# KiCad board Djinn.kicad_pcb (continued)
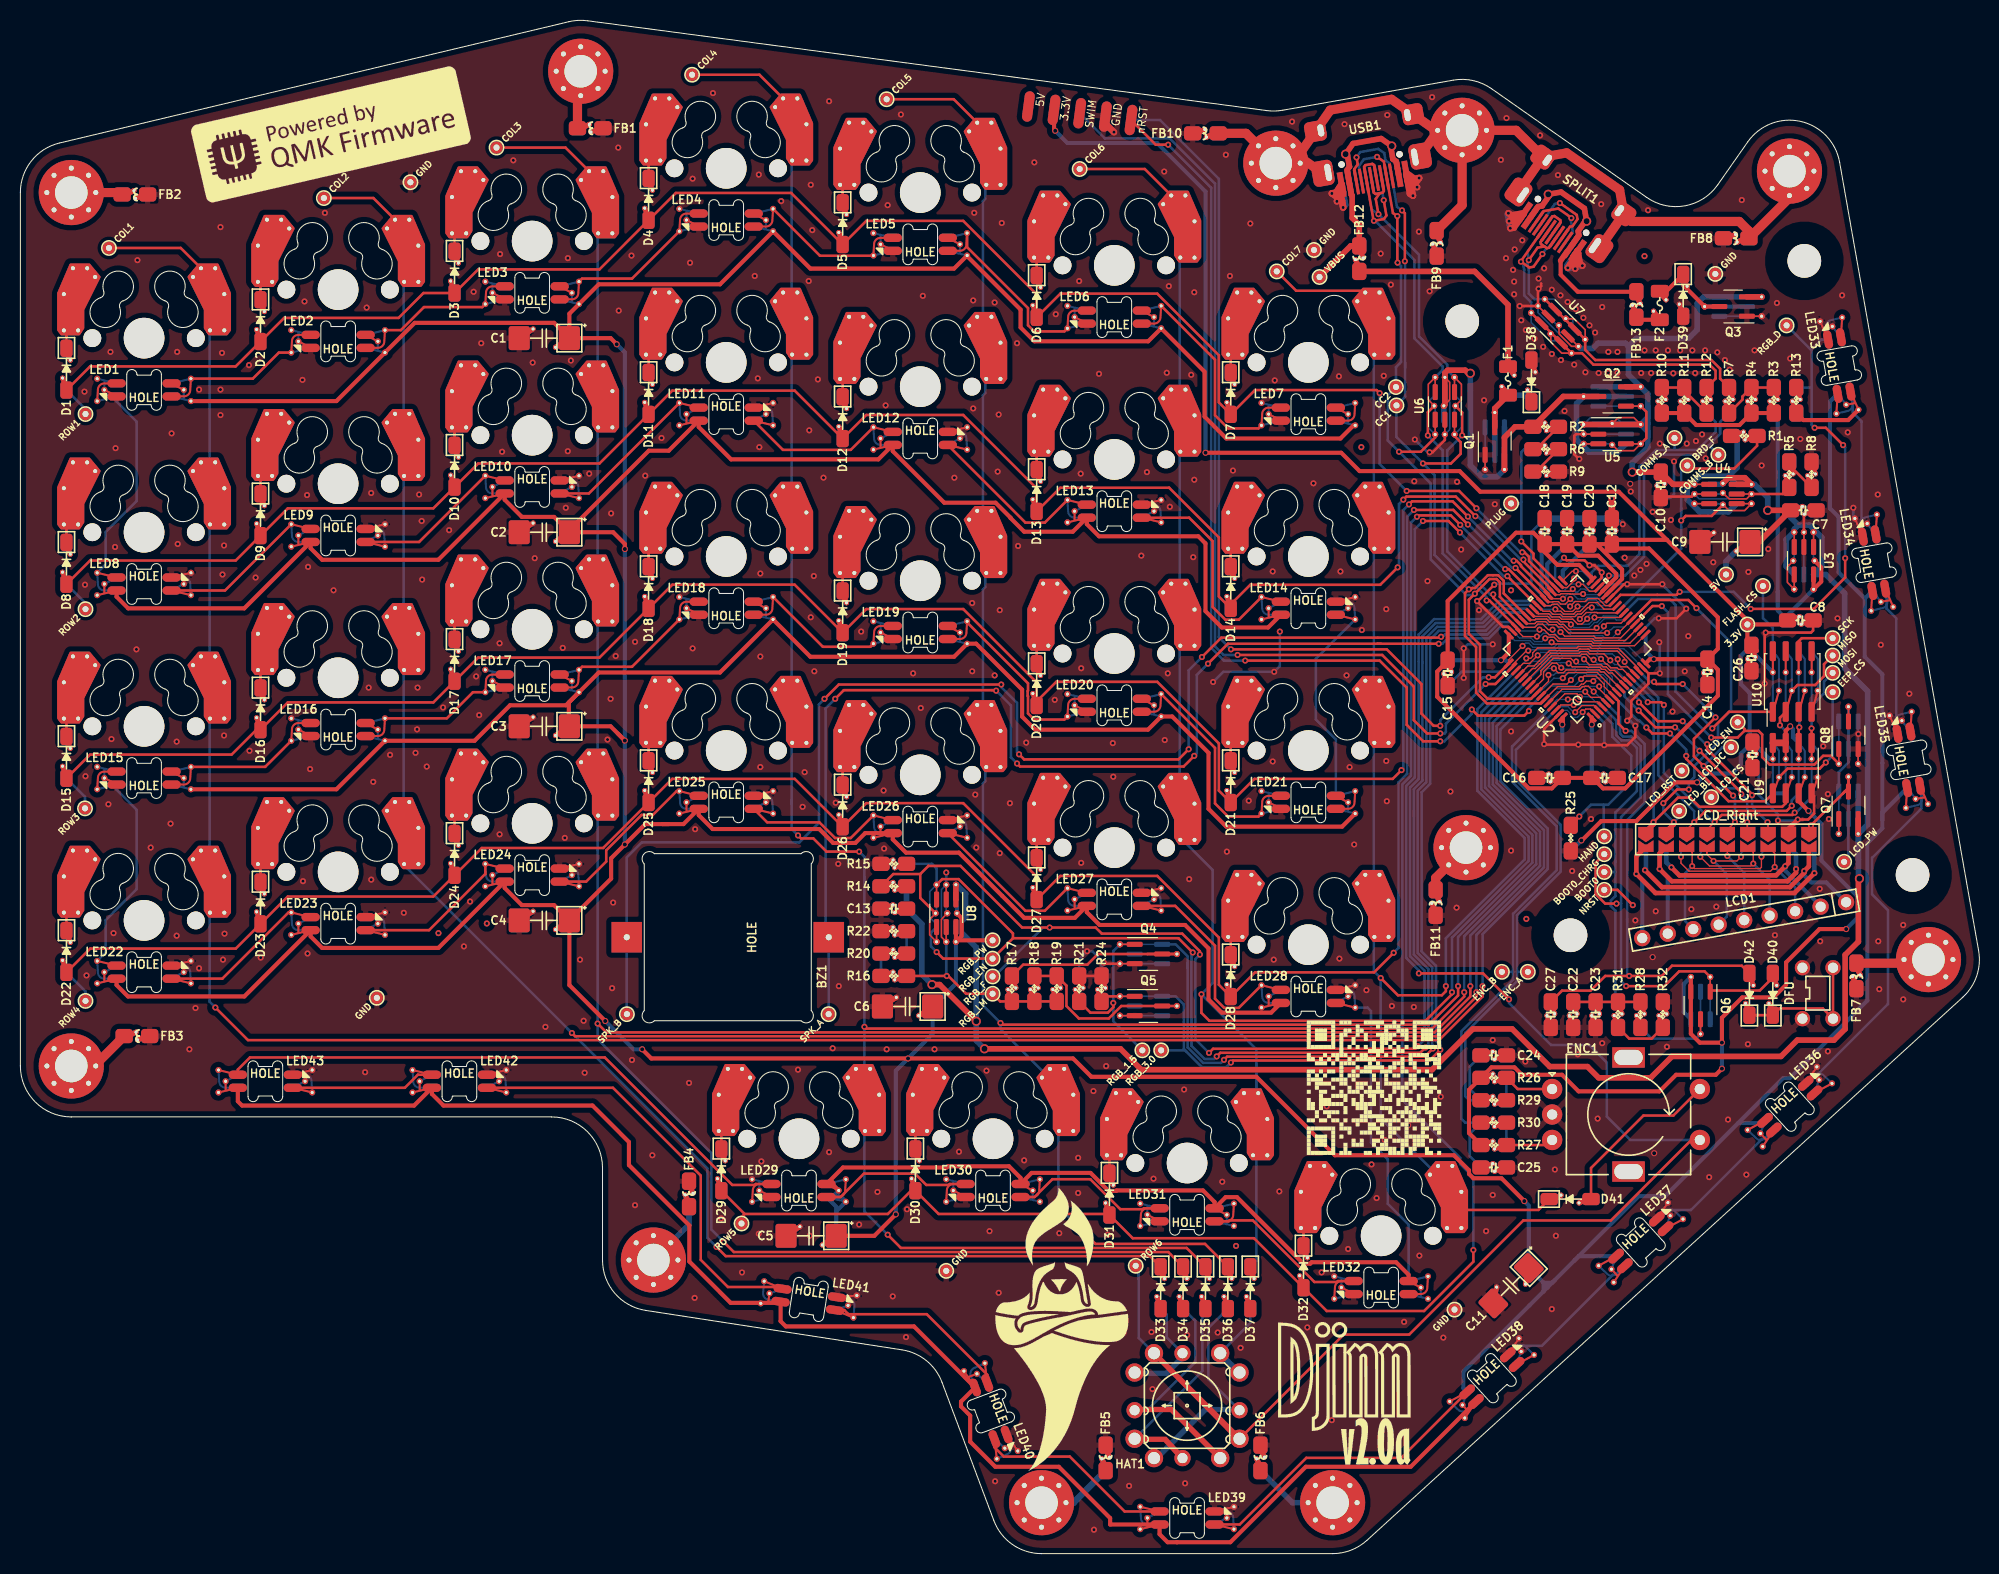
[diagram p0: board, top side]
## Copper pours and planes (outline as drawn; the poured copper is in the pictures) (continued)
GND on Bottom: 193.94,-3.1 -4.16,-3.1 -4.16,153 193.94,153
